# KiCad board GNSS_Firehose.kicad_pcb (continued)
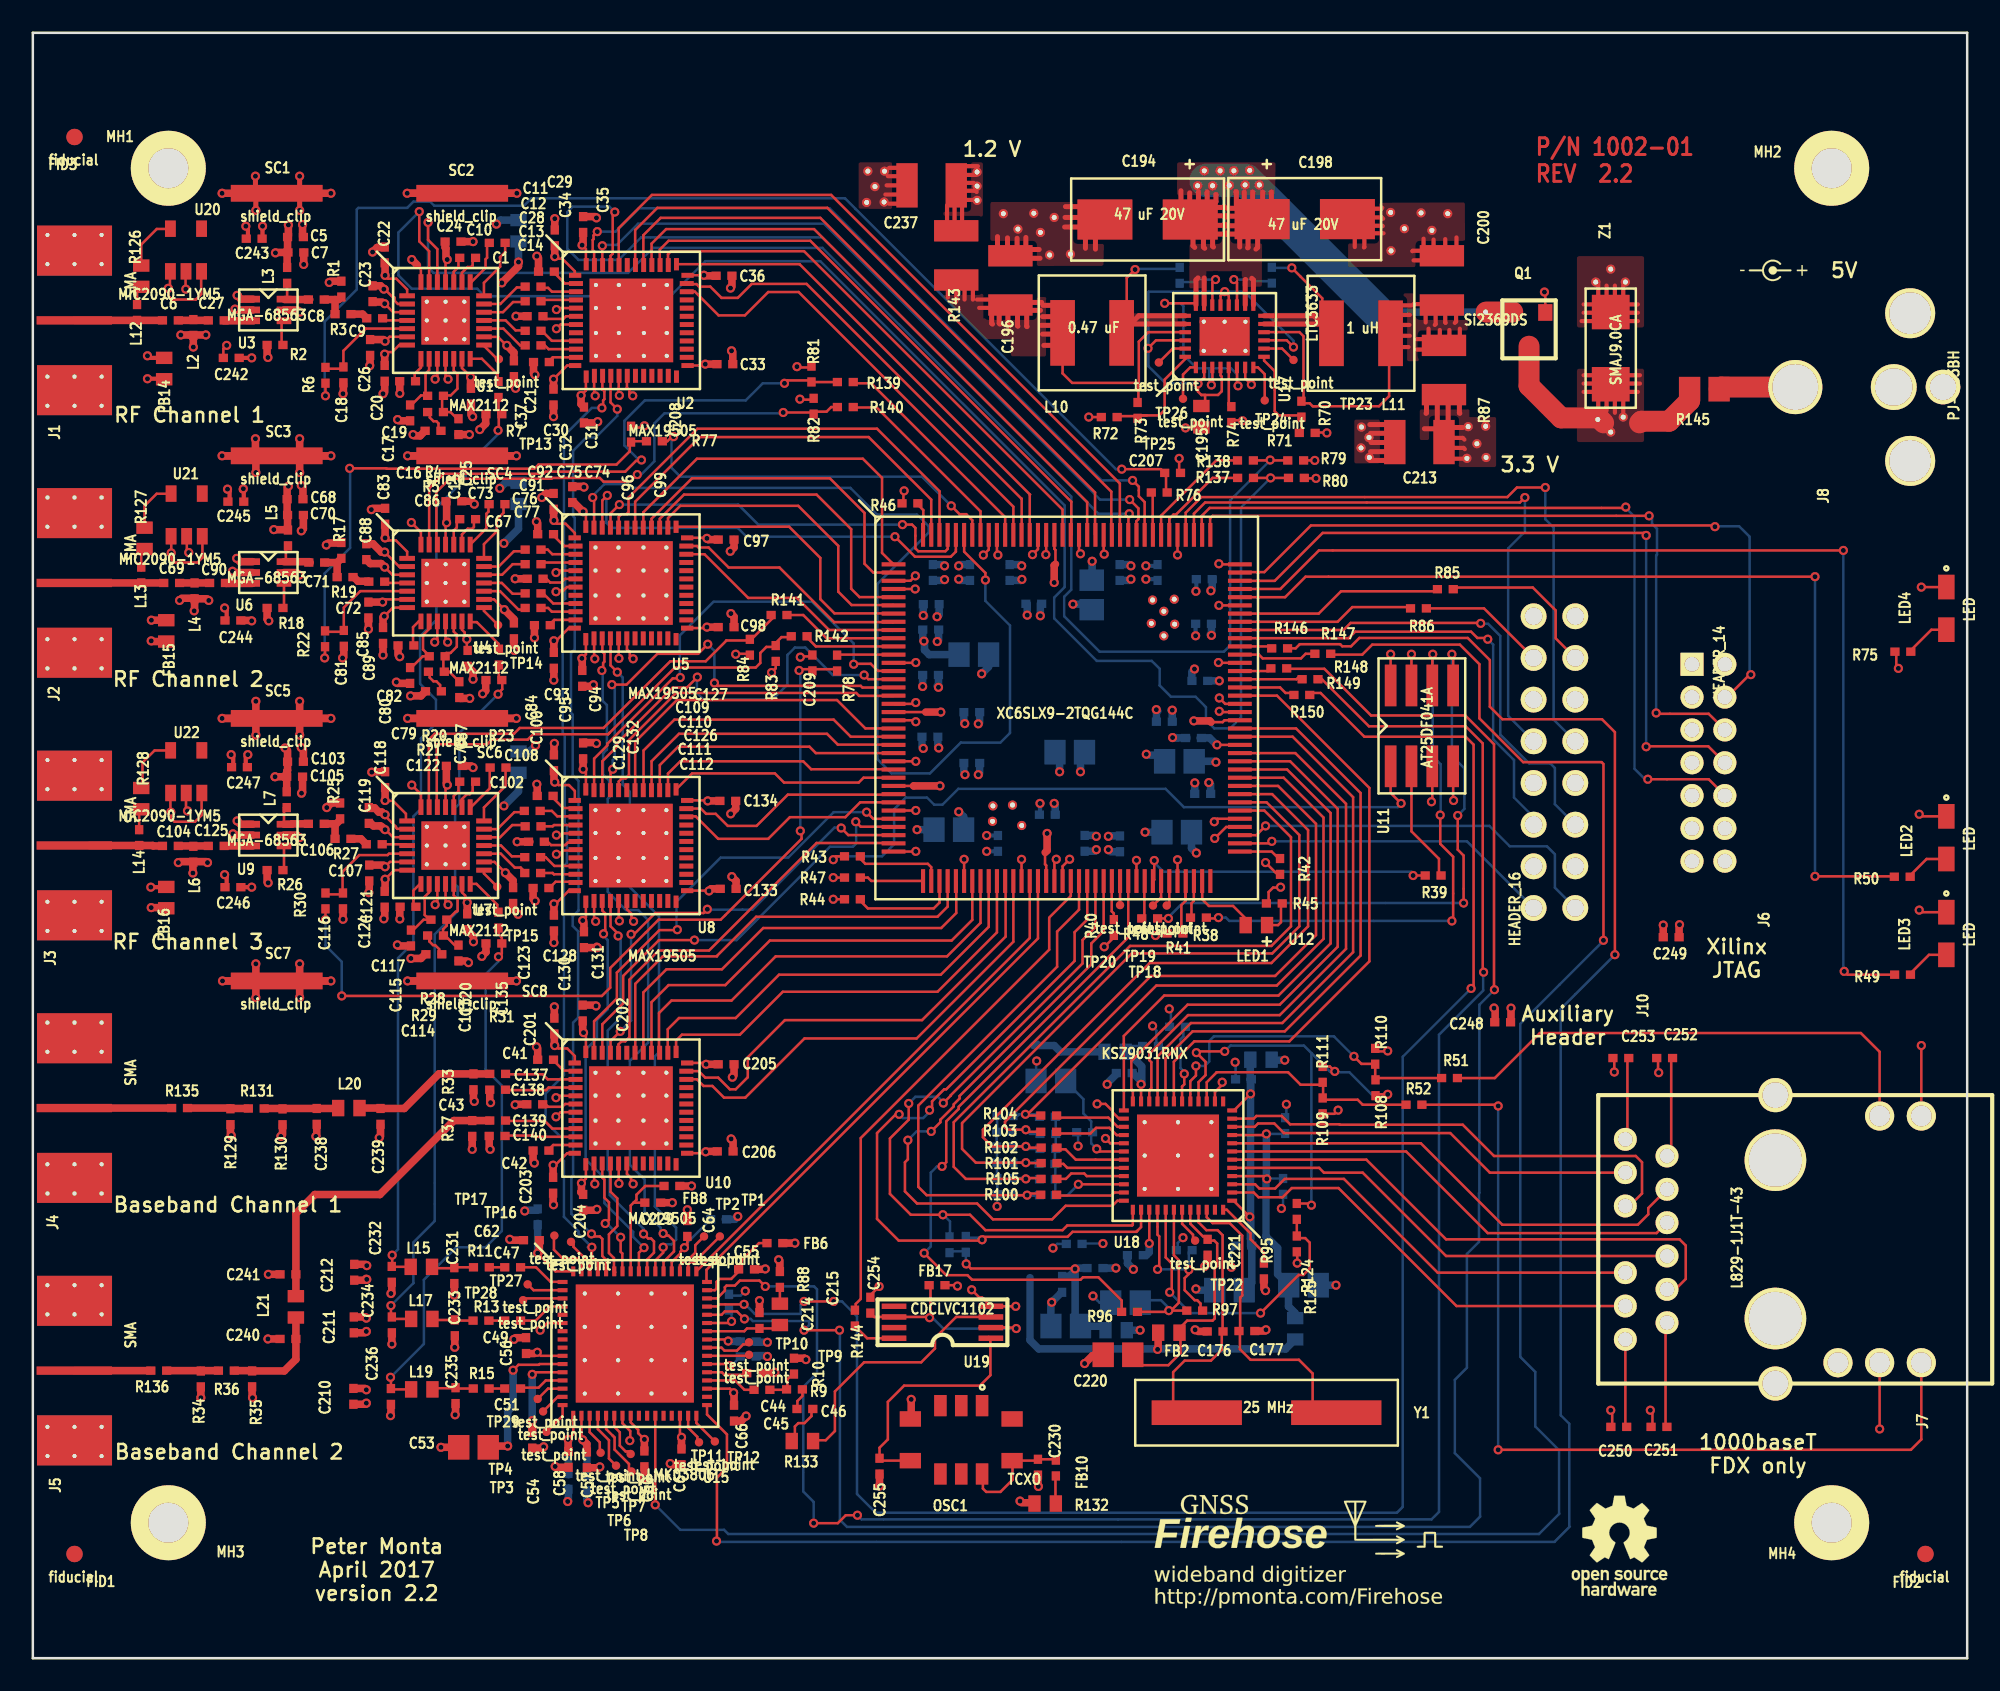
[diagram p0: board, top side]
## Routing (per net, layer and track width the routed paths; a pad name or vN(x,y) marks a point on that pad's centre or on a via; arc(x,y) is an arc through that point) (continued)
Net-(C117-Pad1): length 1.6
  Top w0.152: 23.16,45.8 23.19,45.83 23.19,46.79 23.59,47.19 23.65,47.19
Net-(C125-Pad2): length 1.7
  Top w0.457: C125.2 U9.3
Net-(C126-Pad1): length 2.2
  Top w0.152: 33.07,49.78 33,49.71 32.59,49.71 32.44,49.56 31.57,49.56 31.37,49.76 31.08,49.76
Net-(C127-Pad1): length 1.8
  Top w0.152: 33.07,51.78 33.04,51.82 32.31,51.82 31.62,52.51 31.62,52.55
Net-(C128-Pad1): length 1.9
  Top w0.152: 33.07,47.28 33.03,47.32 31.85,47.32 31.47,46.94 31.36,46.94
Net-(C137-Pad1): length 8.8
  Top w0.457: 26.87,35.61 C137.1 ; L20.2 21.16,33.53 C239.1 22.63,33.5 24.74,35.61 R33.1
Net-(C139-Pad1): length 20.3
  Top w0.152: C139.1 R37.1
  Top w0.457: C241.1 L21.2 ; C241.1 16.05,23.39 ; C241.1 16.03,27.1 17.18,28.26 21.15,28.26 25.65,32.77 C139.1
Net-(C194-Pad1): length 61.1
  Top w0.152: 70.87,82.58 70.11,82.58 v1(68.96,82.58) ; v1(71.81,77.6) 71.87,77.66 71.87,78.67 ; v1(73.43,77.55) 73.37,77.61 73.37,78.67
  Top w0.305: 74.02,85.95 74.04,85.98 74.04,86.69 ; 71.88,87.91 72.64,87.91 72.72,87.83 ; 74.37,82.47 74.37,84 74.27,84.1 ; 72.09,89.2 72.09,88.77 72.03,88.72 ; 73.41,88.37 72.8,88.37 ; 71.02,89.36 71.02,88.54 ; 74.47,88.57 74.32,88.72 74.32,89.36 ; 74.93,89.36 74.93,88.52 ; 74.52,85.88 74.63,85.98 74.63,86.69 ; 73.43,87.88 72.77,87.88 72.75,87.91 ; 75.56,88.54 75.46,88.65 75.46,89.36 ; 71.4,85.93 71.32,86 71.32,86.69 ; 70.43,88.6 70.49,88.65 70.49,89.31 ; 72.75,87.3 72.72,87.33 71.86,87.33 ; 72.75,87.3 73.46,87.3 ; 72.75,87.3 72.67,87.38 ; 71.86,88.42 72.59,88.42 72.62,88.44 ; 71.93,86 71.88,86.06 71.88,86.69 ; 73.86,88.57 73.81,88.62 73.81,89.36 ; 73.33,88.57 73.33,89.36 73.3,89.38 ; 71.83,86.79 72.64,86.79 72.67,86.77 ; 69.95,89.43 69.95,88.67 ; 71.37,82.47 71.37,84.12 ; 70.99,84.12 70.87,84 70.87,82.47 ; 70.69,86.64 70.69,86.08 70.79,85.98 ; 72.69,86.87 72.77,86.79 73.46,86.79 ; 71.55,89.36 71.55,88.54 ; 73.53,86.77 73.53,86 ; 73.87,82.47 73.87,84 73.89,84.02
  Top w1.27: 90.17,82.04 88.54,82.04
  Bottom w0.152: 71.68,78.61 71.68,77.72 v1(71.81,77.6) ; 71.68,78.61 70.92,78.61 70.1,79.43 70.1,82.4 69.93,82.58 v1(68.96,82.58) ; 71.68,78.61 73,78.61 73.38,78.23 73.38,77.6 v1(73.43,77.55)
  Bottom w0.457: VIA**.1 81.94,82.04
  Bottom w1.27: 74.12,89.87 73.91,90.07
  Bottom w2.032: 73.91,90.07 71.48,90.07 ; 81.94,82.04 74.12,89.87
Net-(C195-Pad1): length 30.7
  Top w0.152: 70.22,80.32 68.43,80.32 v1(67.94,79.83) ; v1(76.81,79.91) 76.4,80.32 75.02,80.32 ; 72.37,78.67 72.37,78.18 72.44,78.11 72.44,77.22 72.21,76.99 71.2,76.99 ; 71.21,76.33 71.42,76.55 71.42,76.99 71.2,76.99 ; 71.37,76.49 C195.1 ; 72.87,82.47 72.87,83.04 v1(72.62,83.29) 72.37,83.04 72.37,82.47 ; 71.37,78.67 71.37,78.05 v1(70.99,77.67) 70.99,77.19 71.2,76.99
  Bottom w0.152: 67.97,79.83 67.97,78.74 69.01,77.7 70.97,77.7 v1(70.99,77.67) ; v1(67.94,79.83) 67.97,79.86 67.97,83.26 68,83.29 v1(72.62,83.29) 73.81,83.29 76.81,80.29 v1(76.81,79.91)
Net-(C196-Pad1): length 28.9
  Top w0.152: R73.2 67.36,76.58 67.36,77.72 ; 70.22,80.82 67.97,80.82 67.39,80.24 67.39,77.75 67.36,77.72 ; 67.36,77.72 63.32,77.72 62.74,78.3 L10.2 ; 67.39,76.6 67.28,76.5
  Top w0.254: 58.29,82.8 57.53,82.8 ; 58.42,82.3 57.66,82.3 ; 55.75,83.57 55.75,82.93 ; 56.77,83.57 56.77,82.8 ; 57.28,83.57 57.28,82.8 ; 56.26,83.57 56.26,82.68
  Top w0.305: 58.42,82.02 58.42,81.36 58.47,81.31 ; 61.59,80.01 62.23,80.01 62.26,79.98 ; 60.6,82.22 60.68,82.14 61.39,82.14 ; 59.41,81.94 59.41,81.25 59.49,81.18 ; 62.36,82.42 62.33,82.45 61.54,82.45 ; 61.42,81.23 62.41,81.23 ; 60.02,81.18 59.99,81.2 59.99,81.99 ; 62.36,81.79 62.33,81.76 61.52,81.76 ; 60.5,82.68 60.55,82.63 61.47,82.63 ; 60.58,81.15 60.55,81.18 60.55,82.02 ; 58.88,81.99 58.88,81.36 58.93,81.31 ; 61.52,80.7 62.38,80.7 62.43,80.65
Net-(C197-Pad1): length 15.3
  Top w0.152: L10.1 66.65,81.08 66.65,84.12 v1(67.16,84.63)
  Top w0.305: 70.22,81.81 67.38,81.81 L10.1 66.88,81.31 70.22,81.31
  Bottom w0.152: 69.88,84.67 67.2,84.67 v1(67.16,84.63)
Net-(C197-Pad2): length 3.8
  Top w0.152: v1(72.06,84.02) 71.87,83.83 71.87,82.47
  Bottom w0.152: 69.95,83.87 70.74,83.87 70.89,84.02 v1(72.06,84.02)
Net-(C199-Pad1): length 3.9
  Top w0.152: v1(73.18,84.02) 73.37,83.83 73.37,82.47
  Bottom w0.152: v1(73.18,84.02) 74.24,84.02 74.35,83.92 75.39,83.92
Net-(C199-Pad2): length 16.2
  Top w0.152: L11.2 78.56,81.31 78.56,82.88 v1(76.71,84.73)
  Top w0.254: 78.77,81.66 78.79,81.64 ; 78.64,81.48 78.69,81.43 ; 78.55,81.32 L11.2 ; 78.71,81.86 78.84,81.74
  Top w0.305: 75.02,81.31 78.56,81.31 L11.2 78.06,81.81 75.02,81.81
  Bottom w0.152: v1(76.71,84.73) 75.52,84.73 75.49,84.7
Net-(C200-Pad1): length 25.7
  Top w0.152: 75.02,80.82 77.17,80.82 77.42,80.57 77.42,76.65 77.29,76.52 ; 77.33,76.57 77.42,76.48 77.8,76.48 77.98,76.3 78.18,76.3 ; 82.64,79.32 82.64,76.92 82.02,76.3 78.03,76.3
  Top w0.254: 86.31,80.95 86.31,80.47 86.33,80.44 ; 83.87,81.25 83.19,81.25 ; 83.9,81.86 83.19,81.86 83.16,81.84 ; 86.64,81.38 86.72,81.46 86.72,81.94 ; 85.7,80.31 85.72,80.34 85.72,80.95 ; 83.82,79.91 83.24,79.91 83.16,79.83 ; 83.13,80.57 83.16,80.59 83.9,80.59 ; 85.06,80.39 85.04,80.42 85.04,81.03 ; 86.94,81.03 86.94,80.34 86.97,80.31 ; 84.84,80.34 84.79,80.39 84.28,80.39 ; 83.26,82.4 83.31,82.45 84,82.45 ; 86.06,81.94 86.06,81.41 86.08,81.38 ; 85.42,81.25 85.47,81.31 85.47,81.99 ; 84.94,82.5 84.91,82.52 84.12,82.52 ; 84.86,82.02 84.86,81.41 ; 84.23,79.76 85.01,79.76
Net-(C214-Pad1): length 4.6
  Top w0.152: C215.1 45.31,20.1 C214.1 43.52,20.1 43.35,19.93 U15.42
Net-(C215-Pad2): length 1.1
  Top w0.152: 45.52,21.61 45.52,22.68
Net-(C216-Pad1): length 11.9
  Top w0.152: v1(69.22,21.18) R97.2 ; v1(69.22,21.18) 69.34,21.18 69.82,21.67 69.82,24.26 ; v1(69.22,21.18) 69.14,21.11 67.22,21.11 ; U18.42 69.52,24.56 ; 69.52,24.56 69.82,24.26
  Bottom w0.152: v1(69.22,21.18) 69.22,21.34 68.73,21.82 67.46,21.82 ; 67.44,21.84 67.39,21.79
Net-(C229-Pad1): length 7.6
  Top w0.152: 36.6,27.76 36.78,27.94 36.78,28.24 37.31,28.78 38.54,28.78 ; 36.6,27.76 36.43,27.59 36.43,23.58 ; 36.6,27.76 37.37,27.76
Net-(C230-Pad1): length 7.1
  Top w0.152: OSC1.9 61.16,12.04 C230.1 62.28,12.12 FB10.2 ; 59.74,11.99 59.69,12.04 59.69,10.87 58.95,10.13 58.09,10.13 57.89,10.34 57.89,11.2 57.86,11.23
Net-(C231-Pad1): length 2.7
  Top w0.152: L15.1 24.41,23.77 25.68,23.77 25.74,23.83 26.98,23.83
Net-(C233-Pad1): length 2.7
  Top w0.152: 26.98,20.57 25.75,20.57 25.71,20.61 24.41,20.61 L17.1
Net-(C235-Pad1): length 2.7
  Top w0.152: L19.1 24.42,16.45 25.76,16.45 25.77,16.43 26.99,16.43
Net-(C238-Pad1): length 5.6
  Top w0.152: R131.2 15.19,33.5 R130.1
  Top w0.457: L20.1 18.58,33.5 17.35,33.5 ; R131.2 C238.1
Net-(C240-Pad1): length 7.8
  Top w0.152: C240.1 16.03,18.21
  Top w0.457: L21.1 16.03,18.21 15.32,17.51 R35.1 13.34,17.53 R36.2
Net-(C254-Pad1): length 13.9
  Top w0.152: 57.67,20.15 59.35,20.15 ; 54.59,20.8 v1(54.64,20.75) ; 54.59,20.8 v1(54.64,20.75) ; 54.59,20.8 U19.6 51.26,20.8 C254.1 ; v1(54.64,20.75) 54.69,20.81 54.69,22.73 ; 59.08,20.15 59.86,20.15 v1(59.92,20.09)
  Bottom w0.152: v1(54.64,20.75) 54.81,20.75 55.47,20.09 59.41,20.09 59.44,20.07 59.89,20.07 v1(59.92,20.09)
Net-(C255-Pad1): length 15
  Top w0.152: 58.24,19.58 58.34,19.48 58.34,17.25 57.71,16.61 53.09,16.61 52.1,15.62 52.1,13.34 51.59,12.83 51.59,12.05 51.6,12.04 53.49,12.04
Net-(FB10-Pad1): length 1.7
  Top w0.152: 62.31,9.47 62.31,11.16 62.33,11.19
Net-(J4-Pad1): length 5.9
  Top w0.457: J4.1 R135.1
Net-(J5-Pad1): length 4.7
  Top w0.457: J5.1 R136.1
Net-(J7-Pad2): length 29.7
  Top w0.152: J7.2 98.43,27.43 98.43,27.05 97.79,26.42 89.53,26.42 84.57,31.38 U18.8
Net-(J7-Pad3): length 28.8
  Top w0.152: U18.7 83.67,30.88 88.65,25.91 98.93,25.91 J7.3
Net-(J7-Pad4): length 28.7
  Top w0.152: U18.5 78.37,29.88 78.66,29.59 81.03,29.59 86.11,24.51 J7.4
Net-(J7-Pad5): length 33.2
  Top w0.152: J7.5 100.08,22.48 100.71,23.11 100.71,25.15 100.33,25.53 86.11,25.53 81.25,30.38 U18.6
Net-(J7-Pad8): length 25.3
  Top w0.152: J7.8 88.77,29.59 86.36,32 76.23,32 75.64,32.59 74.65,32.59 74.45,32.38 73.07,32.38
Net-(J7-Pad9): length 29.4
  Top w0.152: J7.9 97.28,27.56 98.04,28.32 98.04,30.23 97.66,30.61 89.03,30.61 87.12,32.51 79.63,32.51 79.6,32.54 76.61,32.54 76.1,33.05 74.55,33.05 74.39,32.88 U18.11
Net-(J7-Pad10): length 26.7
  Top w0.152: U18.3 74.47,28.88 74.73,28.63 75.69,28.63 76.28,29.21 79.88,29.21 85.6,23.5 J7.10
Net-(J7-Pad11): length 27.3
  Top w0.152: J7.11 86.74,21.46 79.55,28.65 76.71,28.65 76.15,28.09 74.68,28.09 74.39,28.38 U18.2
Net-(J7-Pad13): length 31.3
  Top w0.152: J7.13 112.52,36.96 111.38,38.1 91.82,38.1 89.08,35.36 86.72,35.36
Net-(J7-Pad17): length 56.5
  Top w0.152: 84.58,33.7 84.55,33.73 89.2,33.73 v1(89.28,33.66) ; v1(89.28,12.7) 114.43,12.7 115.06,13.34 J7.17
  Bottom w0.152: v1(89.28,33.66) v1(89.28,12.7)
Net-(J8-Pad1): length 4.7
  Top w1.27: R145.1 102.87,77.47 107.38,77.47
Net-(J10-Pad13): length 10.3
  Top w0.152: J10.13 92.79,62.15 92.79,63.86 91.39,65.25 86.46,65.25
Net-(J10-Pad14): length 7.9
  Top w0.152: 84.82,63.98 88.42,63.98 J10.14
Net-(L12-Pad1): length 1
  Top w0.152: 6.35,82.3 6.35,83.31
Net-(L13-Pad1): length 1
  Top w0.152: 6.6,66.29 6.6,67.31
Net-(L14-Pad1): length 1.5
  Top w0.152: R128.1 6.48,51.61 6.48,50.29
Net-(LED1-Pad1): length 2.1
  Top w0.152: 76.09,46 76.05,45.96 76.05,44.86 75.87,44.68 LED1.1
Net-(LED1-Pad2): length 4.6
  Top w0.152: LED1.2 73.9,45.07 73.13,45.85 71.65,45.85 71.25,46.25 71.25,47.36 U12.71
Net-(LED2-Pad1): length 2.7
  Top w0.152: 114.3,47.63 115.38,48.71 LED2.1
Net-(LED3-Pad1): length 2.8
  Top w0.152: LED3.1 115.53,42.87 114.32,41.66
Net-(LED4-Pad1): length 2.8
  Top w0.152: 114.34,61.34 115.67,62.68 116.59,62.68
Net-(Q1-Pad3): length 22.4
  Top w0.254: 96.39,76.92 96.39,75.91 ; 95.38,76.92 95.38,75.91 ; 96.9,77.18 97.79,77.18 ; 96.9,78.19 97.92,78.19 ; 96.9,76.92 96.9,75.91 ; 95.88,76.92 95.88,76.03 ; 95.38,77.68 94.49,77.68 ; 95.38,78.19 94.49,78.19 ; 95.38,77.18 94.49,77.18 ; 96.77,77.68 97.92,77.68
  Top w0.457: 95.35,75.64 95.71,75.29
  Top w1.27: R145.2 100.94,76.64 99.69,75.39 97.99,75.39 97.89,75.29 ; 95.71,75.29 95.4,75.59 93.12,75.59 91.16,77.55 91.16,79.96
Net-(R2-Pad2): length 1.5
  Top w0.152: 15.16,80.04 15.16,81.36 U3.4
Net-(R18-Pad2): length 1.7
  Top w0.152: U6.4 15.3,64.05 15.13,63.88
Net-(R26-Pad2): length 1.5
  Top w0.152: 15.16,48.03 15.3,48.18 U9.4
Net-(R38-Pad2): length 33.9
  Top w0.152: v1(86.46,44.93) 86.54,45.01 86.54,48.84 85.75,49.63 v1(85.75,51.38) ; 71.37,45.07 71.39,45.09 72.19,45.09 v1(72.24,45.14) ; U11.6 85.27,61.16 v1(85.29,61.19)
  Bottom w0.152: v1(86.46,44.93) 72.9,44.93 72.69,45.14 v1(72.24,45.14) ; v1(85.75,51.38) 85.78,51.41 85.78,54.48 85.29,54.97 v1(85.29,61.19)
Net-(R39-Pad2): length 7.4
  Top w0.152: U11.2 84,50.39 85.67,48.72 85.67,47.75 85.72,47.7
Net-(R42-Pad1): length 2.7
  Top w0.152: 75.99,48.65 75.48,49.16 U12.73 73.55,49.15
Net-(R43-Pad2): length 42
  Top w0.152: U11.1 82.73,52.73 v1(83.36,52.1) ; v1(48.77,48.67) 48.92,48.82 48.92,48.87 49.54,48.87
  Bottom w0.152: v1(48.77,48.67) 48.92,48.82 48.92,48.87 51.74,48.87 52.48,49.61 52.48,51.74 53.19,52.45 54.48,52.45 54.91,52.02 55.42,52.02 56.39,52.98 69.01,52.98 70.13,51.87 83.16,51.87 83.16,51.89 v1(83.36,52.1)
Net-(R46-Pad2): length 1.9
  Top w0.152: 54.25,68.63 54.25,69.97 53.84,70.38
Net-(R47-Pad1): length 4
  Top w0.152: U12.37 54.23,47.37 51.08,47.37 50.88,47.57 50.34,47.57
Net-(R48-Pad2): length 36.8
  Top w0.152: 68.52,45.09 v1(69.19,45.09) ; v1(86.46,61.19) 86.54,61.11 U11.5 ; v1(86.82,51.36) 86.82,49.28 87.17,48.92 v1(87.17,46.02)
  Bottom w0.152: v1(86.82,51.36) 87.22,51.77 87.22,54.23 86.46,54.99 v1(86.46,61.19) ; v1(87.17,46.02) 70.05,46.02 69.11,45.09
Net-(R70-Pad2): length 6.4
  Top w0.152: 75.02,79.32 75.02,79.08 75.67,78.44 75.67,76 75.92,75.74 76.49,75.74 ; 76.48,75.74 77.19,75.74 R70.2 ; 77.29,75.72 77.29,74.72 77.25,74.68
Net-(R72-Pad1): length 7.5
  Top w0.152: 67.87,75.74 67.33,75.74 ; 67.33,75.74 68.63,75.74 68.96,76.07 68.96,77.93 70.22,79.18 70.22,79.32 ; 67.33,75.74 67.28,75.7 66.04,75.7 65.98,75.64
Net-(R74-Pad1): length 2.5
  Top w0.152: 72.87,78.67 72.87,76.38 73,76.24
Net-(R95-Pad1): length 4.4
  Top w0.152: U18.48 72.74,27.33 74.19,25.88 74.19,25.53 75.01,24.71 R95.1
Net-(R100-Pad2): length 4.3
  Top w0.152: U18.35 65.9,28.38 65.71,28.19 62.29,28.19
Net-(R101-Pad2): length 4.4
  Top w0.152: 66.47,29.88 66.47,29.88 63.03,29.88 62.79,30.12 62.22,30.12
Net-(R102-Pad2): length 4.5
  Top w0.152: U18.31 64.75,30.38 64.74,30.38 ; 62.24,31.01 62.92,31.01 63.55,30.38 64.74,30.38
Net-(R103-Pad2): length 4.6
  Top w0.152: 62.19,31.98 64.44,31.98 64.78,32.32 65.6,32.32 66.03,31.88 U18.28
Net-(R104-Pad2): length 4.4
  Top w0.152: 62.34,32.94 65.53,32.94 66.09,32.38 U18.27
Net-(R105-Pad2): length 4.3
  Top w0.152: U18.33 64.22,29.38 64.06,29.54 63.27,29.54 62.94,29.21 R105.2
Net-(R126-Pad2): length 3.5
  Top w0.152: 6.6,84.82 6.6,86.16 7.55,87.11 8.36,87.11
Net-(R127-Pad2): length 3.4
  Top w0.152: 6.81,68.75 6.81,70.23 7.54,70.97 8.43,70.97
Net-(R128-Pad2): length 3.6
  Top w0.152: 8.38,55.32 7.42,55.32 6.68,54.58 6.68,53.11 R128.2
Net-(R129-Pad1): length 3.7
  Top w0.457: R135.2 12,33.53 R129.1 12.06,33.5 R131.1
Net-(R133-Pad1): length 15
  Top w0.152: 57.67,20.8 56.26,20.8 54.97,19.51 54.97,18.87 54.13,18.03 50.65,18.03 48.87,16.26 48.87,13.84 48.31,13.28 47.69,13.28 47.64,13.23
Net-(R136-Pad2): length 3.2
  Top w0.457: 10.19,17.53 R36.1 ; R34.1 10.21,17.53 R136.2
Net-(R137-Pad2): length 6.7
  Top w0.152: 73.49,71.93 71.88,71.93 69.65,69.7 69.49,69.7 69.24,69.44 69.24,68.66 ; 69.24,68.71 69.24,69.37
Net-(R138-Pad2): length 7.3
  Top w0.152: 73.48,73 72.11,73 68.74,69.63 U12.115
Net-(R139-Pad2): length 13.8
  Top w0.152: 49.9,77.77 49.98,77.7 51.08,77.7 59.24,69.54 U12.134
Net-(R140-Pad2): length 11.9
  Top w0.152: 49.9,76.25 49.93,76.23 51.41,76.23 57.74,69.89 U12.137
Net-(R141-Pad1): length 7.2
  Top w0.152: 45.87,63.58 46.94,63.58 48.35,62.16 U12.10
Net-(R142-Pad1): length 5.6
  Top w0.152: U12.11 47.71,61.66 47.09,62.28
Net-(R144-Pad1): length 2.7
  Top w0.152: U19.8 50.84,19.5 R144.1
Net-(R146-Pad2): length 2.1
  Top w0.152: 75.56,61.54 75.45,61.66 U12.98
Net-(R147-Pad2): length 4.8
  Top w0.152: R147.2 77.55,61.21 77.27,60.93 74.93,60.93 74.7,61.16 U12.97
Net-(R148-Pad2): length 1.7
  Top w0.152: U12.95 75.29,60.16
Net-(R149-Pad2): length 3.7
  Top w0.152: U12.94 76.99,59.66 77.17,59.84
Net-(R150-Pad2): length 3.5
  Top w0.152: U12.93 75.99,59.16 76.33,58.83 76.85,58.83 76.87,58.8
Net-(TP1-Pad1): length 3.1
  Top w0.152: TP1.1 40.28,24.13 40.06,24.13 39.93,24 39.93,23.58
Net-(TP2-Pad1): length 2.8
  Top w0.152: TP2.1 40.36,25.17 40.36,24.71 40.08,24.43 39.9,24.43 39.43,23.96 39.43,23.58
Net-(TP3-Pad1): length 2
  Top w0.152: U15.16 32.28,14.78 TP3.1
Net-(TP4-Pad1): length 1.6
  Top w0.152: U15.15 31.98,15.93 TP4.1
Net-(TP5-Pad1): length 2.7
  Top w0.152: 33.93,14.78 33.93,13.77 34.54,13.16 34.54,12.52 34.67,12.4
Net-(TP6-Pad1): length 3.7
  Top w0.152: 34.43,14.78 34.43,13.96 35.1,13.28 35.1,12.17 TP6.1 35.41,11.86
Net-(TP7-Pad1): length 2.8
  Top w0.152: TP7.1 36.27,12.6 36.12,12.6 35.76,12.95 35.76,13.77 35.43,14.1 35.43,14.78
Net-(TP8-Pad1): length 4.2
  Top w0.152: 35.32,13.58 35.45,13.45 35.45,12.71 36.32,11.84 36.32,11.53 TP8.1 ; 34.93,14.78 34.93,13.97 35.41,13.49
Net-(TP9-Pad1): length 2.6
  Top w0.152: TP9.1 43.57,18.43 U15.39
Net-(TP10-Pad1): length 2.8
  Top w0.152: TP10.1 43.51,19.13 43.28,19.13 42.9,18.75 42.14,18.75 41.96,18.93 U15.40
Net-(TP11-Pad1): length 1.9
  Top w0.152: 39.93,14.78 39.93,14.05 40.49,13.49 40.49,13.26 TP11.1
Net-(TP12-Pad1): length 2
  Top w0.152: 40.43,14.78 40.43,14.33 TP12.1
Net-(TP13-Pad1): length 1.2
  Top w0.152: 27.49,80.03 27.49,79.98 28.3,79.17
Net-(TP14-Pad1): length 1.4
  Top w0.152: 27.49,64.03 27.49,63.83 TP14.1
Net-(TP15-Pad1): length 1.3
  Top w0.152: TP15.1 27.49,47.83 27.49,48.03
Net-(TP16-Pad1): length 2.3
  Top w0.152: 33.93,23.58 33.93,24.09 32.94,25.07 32.94,25.22 TP16.1
Net-(TP17-Pad1): length 3.4
  Top w0.152: 33.43,23.58 33.43,24.05 33.12,24.36 32.28,24.36 31.75,24.89 31.75,25.73 TP17.1
Net-(TP18-Pad1): length 1.6
  Top w0.152: TP18.1 69.24,46.03 U12.67
Net-(TP19-Pad1): length 1.7
  Top w0.152: U12.66 68.74,46.37 TP19.1
Net-(TP20-Pad1): length 1.5
  Top w0.152: TP20.1 66.24,45.9 U12.61
Net-(TP22-Pad1): length 2.2
  Top w0.152: 70.76,25.45 70.69,25.53 70.69,25.81 70.02,26.47 U18.43
Net-(TP23-Pad1): length 2.1
  Top w0.152: 75.02,79.82 76.11,79.82 TP23.1
Net-(TP24-Pad1): length 2.5
  Top w0.152: TP24.1 75.06,78.26 74.65,78.67 74.37,78.67
Net-(TP25-Pad1): length 2
  Top w0.152: TP25.1 69.46,79.82 70.22,79.82
Net-(TP26-Pad1): length 2.4
  Top w0.152: 70.87,78.67 70.52,78.67 70.08,78.23 TP26.1
Net-(TP27-Pad1): length 2.3
  Top w0.152: 32.25,22.45 U15.2 30.51,22.43 TP27.1
Net-(TP28-Pad1): length 2.5
  Top w0.152: TP28.1 29.98,21.93 U15.3 32.27,21.92
Net-(TP29-Pad1): length 1.8
  Top w0.152: U15.14 31.39,16.43 TP29.1

## Copper pours and planes (outline as drawn; the poured copper is in the pictures)
/Ethernet/DVDDH on In2.Cu: 71.37,37.59 71.37,36.32 64.26,36.32 64.26,24.38 69.09,24.38 69.09,23.11 62.99,23.11 62.99,37.59
/Ethernet/DVDDL on In2.Cu: 72.9,36.07 72.9,24.64 64.52,24.64 64.52,36.07
GND on Top: 94.08,81.1 94.08,85.45 98.17,85.45 98.17,81.1
GND on Top: 80.14,88.7 87.25,88.72 87.27,84.79 80.14,84.79
GND on Top: 80.52,75.49 82.98,75.49 82.98,72.82 80.52,72.82
GND on Top: 50.32,91.16 53.59,91.19 53.59,88.32 50.32,88.34
GND on Top: 58.34,88.75 65.33,88.75 65.23,84.86 58.34,84.84
GND on In1.Cu: 117.47,35.81 101.47,35.81 101.47,15.24 117.47,15.24 117.47,0.38 0.38,0.38 0.38,98.68 117.47,98.68
VCC_1.2V on Top: 55.5,91.16 57.89,91.16 57.89,87.27 55.47,87.25
VCC_1.2V on Bottom: 56.39,91.26 67.03,91.26 67.01,76.89 70.82,73.08 70.84,61.6 67.64,61.6 67.67,73.15 63.83,76.96 63.83,88.29 56.39,88.29
VCC_1.2V on Bottom: 57.96,52.63 61.57,52.63 61.57,33.71 58.57,33.71 58.52,27.31 61.54,27.36 61.57,22.02 57.99,22.02 57.99,26.95 56.34,28.63 56.34,35.89 57.94,37.59
VCC_1.2V on In2.Cu: 54.86,66.04 71.12,66.04 71.12,49.78 54.86,49.78
VCC_3.3V on Top: 84.51,76.96 87.53,76.96 87.53,75.64 89.15,75.64 89.15,72.59 86.08,72.59 86.08,74.24 84.51,74.24
VCC_3.3V on In2.Cu: 117.47,35.81 101.47,35.81 101.47,15.24 117.47,15.24 117.47,0.38 0.38,0.38 0.38,98.68 117.47,98.68 ; 8 cut-outs
/Ethernet/chassis_gnd on In1.Cu: 101.85,35.43 117.47,35.43 117.47,15.62 101.85,15.62
/RF channel 1/ch1_vcc on In2.Cu: 21.08,85.73 29.21,85.73 29.21,77.6 21.08,77.6
/RF channel 1/ch1_vcc_lna on In2.Cu: 5.84,88.01 16.13,88.01 16.13,78.74 5.84,78.74
/RF Channel 2/ch2_vcc on In2.Cu: 21.08,70.1 29.21,70.1 29.21,61.72 21.08,61.72
/RF Channel 2/ch2_vcc_lna on In2.Cu: 5.84,72.01 16.13,72.01 16.13,62.74 5.84,62.74
/RF Channel 3/ch3_vcc on In2.Cu: 21.08,53.72 29.21,53.72 29.21,45.59 21.08,45.59
/RF Channel 3/ch3_vcc_lna on In2.Cu: 5.84,56.13 16.13,56.13 16.13,46.61 5.84,46.61
Net-(C194-Pad1) on Top: 69.72,91.16 75.72,91.16 75.67,87.53 74.9,87.5 74.88,83.59 73.66,83.57 73.66,84.53 71.5,84.53 71.48,83.49 70.46,83.49 70.49,87.38 69.7,87.35
Net-(C194-Pad1) on Bottom: 81.79,83.16 89.56,83.13 89.56,81.15 81.79,81.15
Net-(C196-Pad1) on Top: 54.48,83.95 57.91,83.95 57.91,81.66 60.66,81.58 60.66,82.98 62.61,82.93 62.61,79.32 59.59,79.35 59.59,80.39 58.04,80.39
Net-(C197-Pad1) on Top: 66.34,81.97 69.75,81.97 69.75,81.18 66.34,81.18
Net-(C199-Pad2) on Top: 75.49,81.99 78.97,81.99 78.97,81.13 75.49,81.13
Net-(C200-Pad1) on Top: 83.06,83.19 87.43,83.16 87.43,79.04 83.03,79.04
Net-(Q1-Pad3) on Top: 94.08,78.59 98.17,78.59 98.17,74.12 94.08,74.12

## Text on the board
Top: P/N 1002-01 / REV  2.2
F.SilkS: RF Channel 3 | RF Channel 2 | RF Channel 1 | Baseband Channel 1 | Baseband Channel 2 | Peter Monta / April 2017 / version 2.2 | 1.2 V | 3.3 V | Auxiliary / Header | Xilinx / JTAG | 1000baseT / FDX only | 5V
